# Altium PCB EgSA-Cube3.PcbDoc (part 2 of 2)
Units mm, origin at the board's own origin, x right, y up, seen from the top; angles counter-clockwise.
Board outline 152.4 x 101.6 mm, 2 copper layers (Top Layer, Bottom Layer); 172 components, 181 nets, 506 pads, 175 vias.
Unrouted connection lines stored in the file: 5.
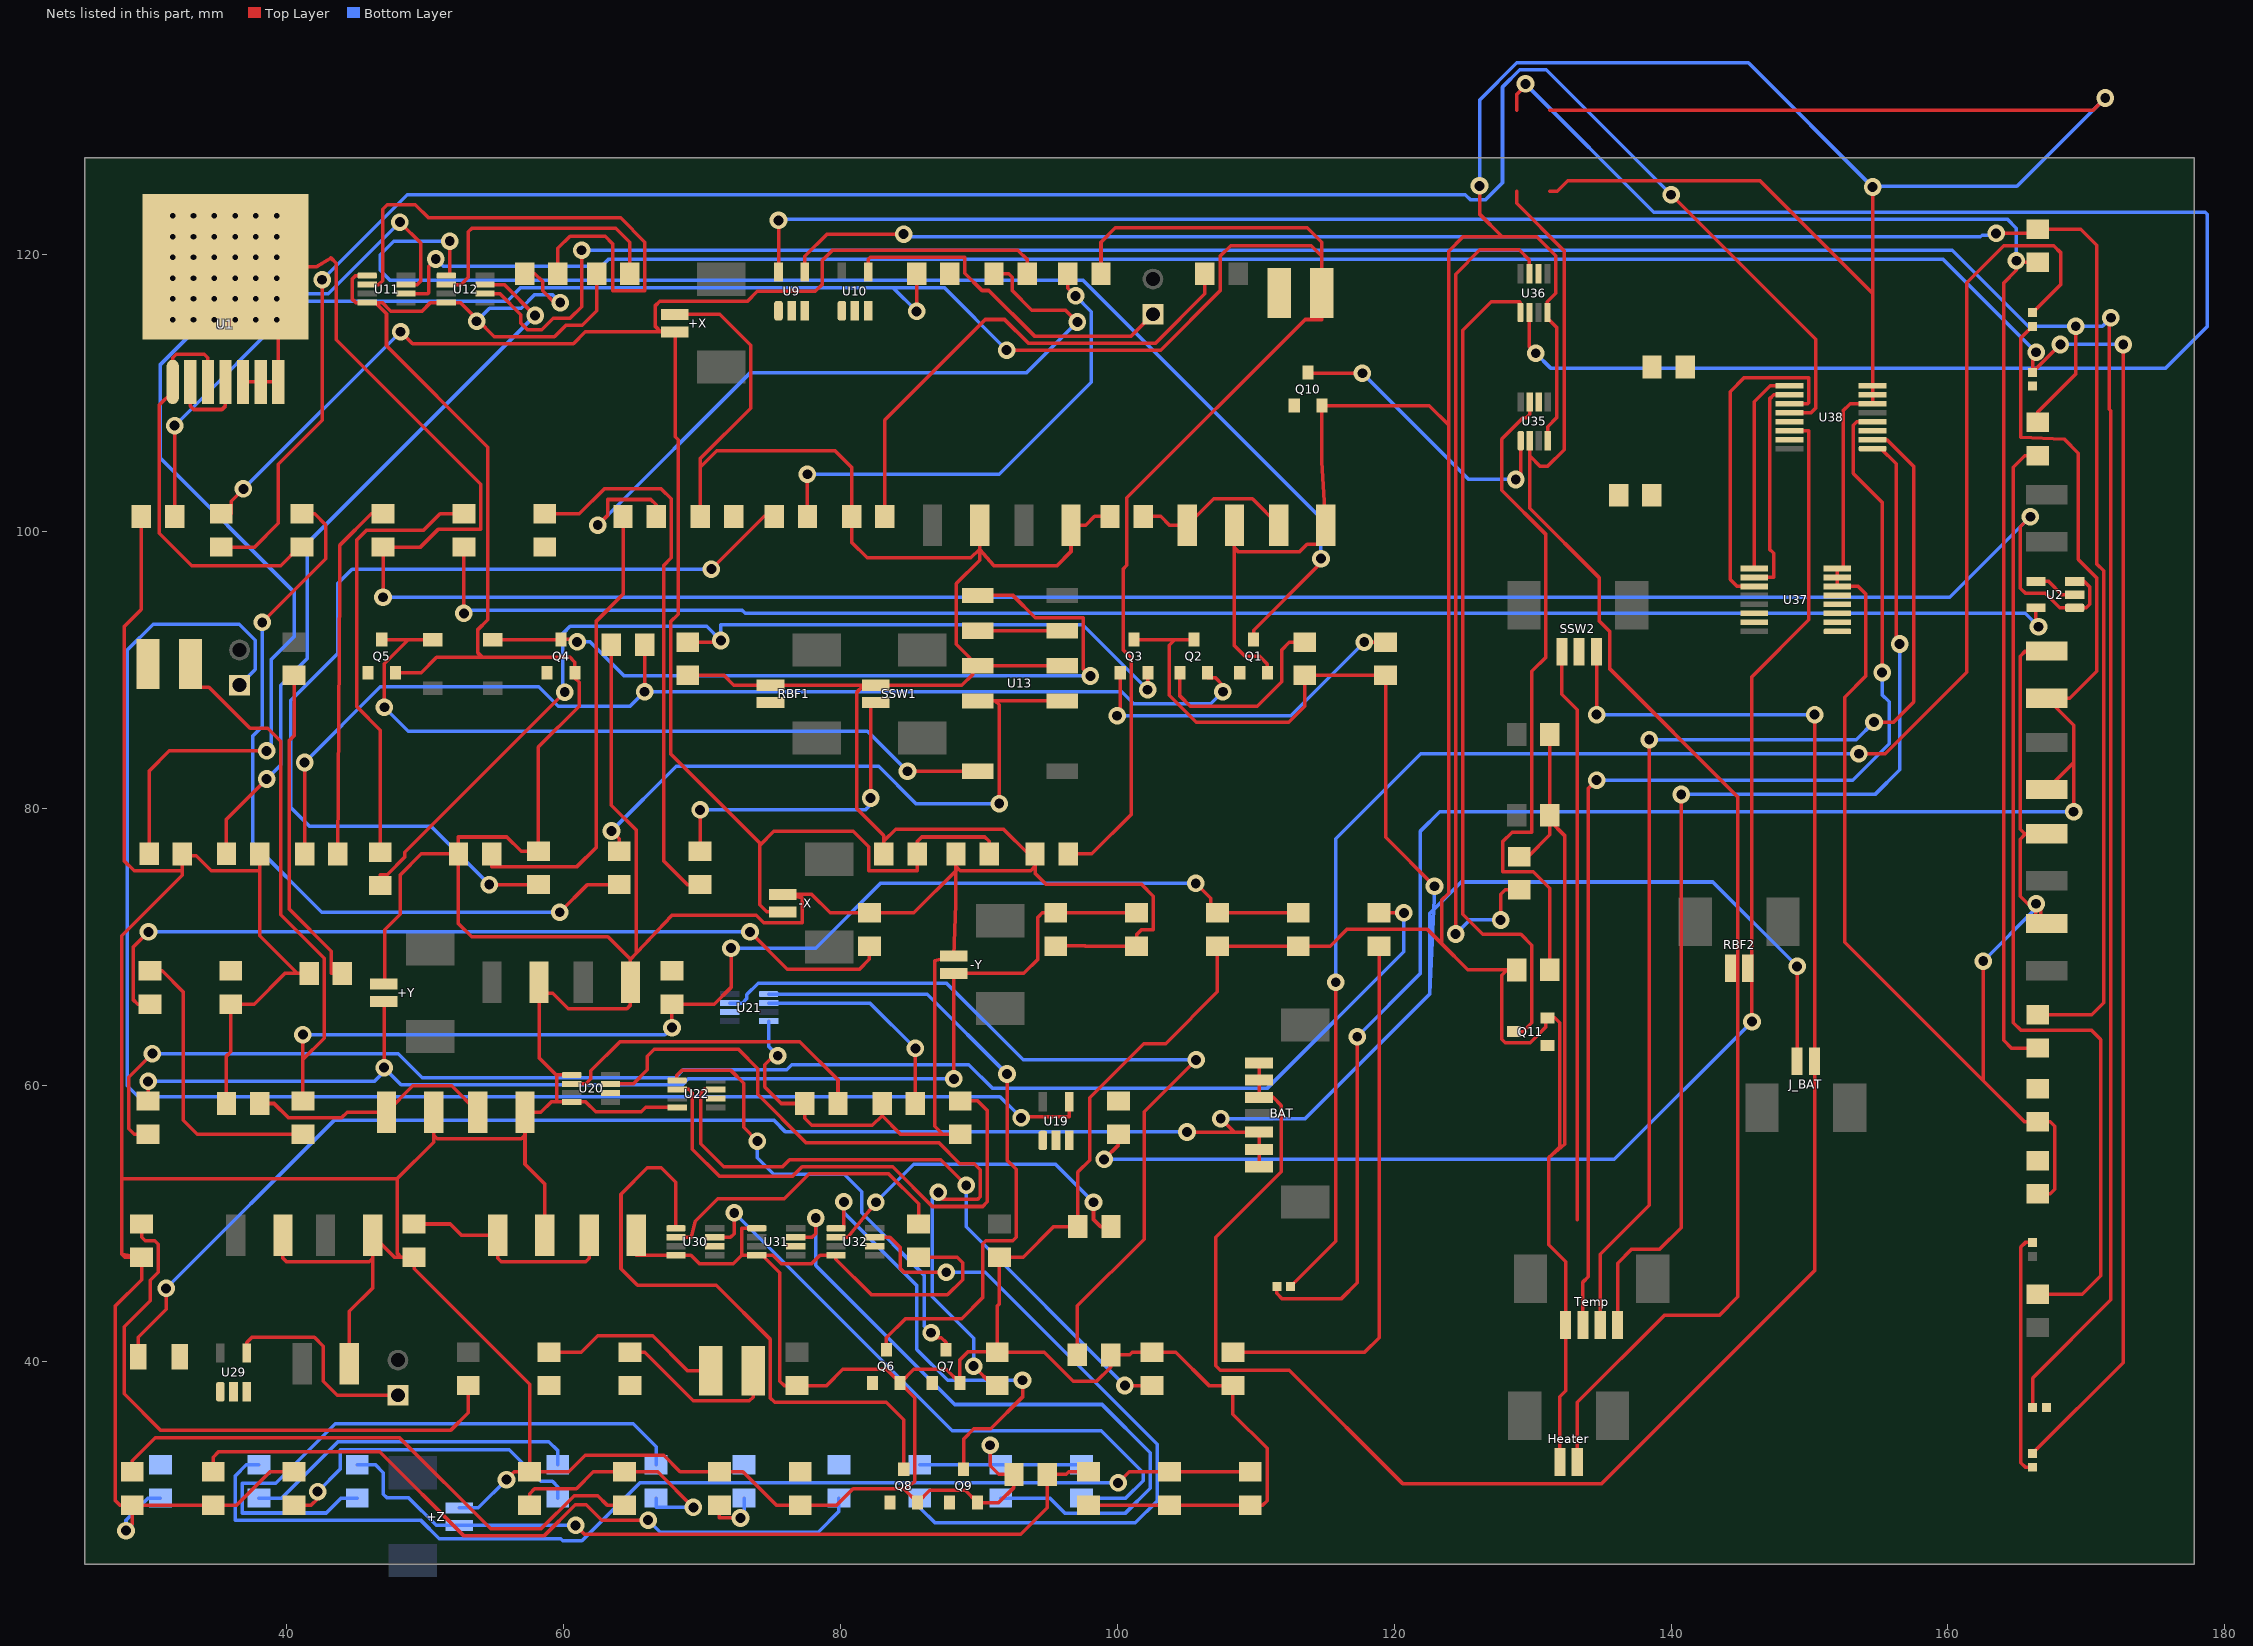
[diagram p2: the nets of this part, all layers, seen from the top]

## Via types
v1: diameter 1.27, hole 0.711, Top Layer to Bottom Layer, tented both sides, 139 vias
v2: diameter 0.7, hole 0.4, Top Layer to Bottom Layer, tented both sides, 36 vias

## Nets (pads, with @x,y where several pads share a name; then routed paths per layer and width w, separated by ;. In a path a pad name is that pad's centre, name@x,y a point inside that pad or via, vN(x,y) a via of type N, cw(c..) or ccw(c..) an arc to the next point about the centre after c; other vN are vias at no path point) (continued)
+8.82Vout1: C11.2 C12.2 L1.2 R12.2 R16.1 | length 178.6
  Top Layer w0.254: C12.2@31.885,101.092 v1(31.885,107.653) ; v1(85.492,115.9) R16.1@85.492,118.618 ; v1(91.999,113.106) 103.124,113.106 107.417,117.399 107.417,119.888 108.179,120.65 114.008,120.65 114.77,119.888 ; C11.2@96.45,76.708 98.146,76.708 100.99,79.553 100.99,90.881 100.406,91.465 100.406,97.282 100.686,97.561 100.686,102.438 113.563,115.316 114.77,115.316 L1.2@114.77,117.221 114.77,119.888 ; R12.2@98.814,118.618 98.814,120.904 99.855,121.945 113.729,121.945 114.77,120.904 114.77,119.888
  Bottom Layer w0.254: v1(31.885,107.653) 40.869,116.637 55.907,116.637 56.898,117.627 83.765,117.627 ; v1(85.492,115.9) 83.765,117.627 ; v1(91.999,113.106) 87.478,117.627 83.765,117.627
+8.82Vout2: C27.2 C28.2 L2.2 R68.2 R69.1 | length 120.2
  Top Layer w0.254: L2.2@33.031,90.424 33.031,88.748 34.366,88.748 37.333,85.781 38.612,85.781 39.557,84.836 39.557,72.304 42.697,69.164 42.697,63.398 41.148,61.849 ; R68.2@41.148,58.858 41.148,61.849 ; v1(41.148,63.652) 41.148,61.849 ; v1(67.818,64.16) R69.1@67.818,65.856 70.885,65.856 72.085,67.056 v1(72.085,69.901) ; v1(105.664,74.574) 106.731,73.508 106.731,72.447 C27.2@107.226,72.447 C28.2@113.068,72.447
  Bottom Layer w0.254: v1(41.148,63.652) 67.31,63.652 v1(67.818,64.16) ; v1(72.085,69.901) 78.207,69.901 82.88,74.574 v1(105.664,74.574)
+8.82Vout3: C46.2 C47.2 R108.2 | length 81.3
  Top Layer w0.254: v1(100.051,31.267) 100.844,32.061 C46.2@103.759,32.061 C47.2@109.601,32.061
  Bottom Layer w0.254: R108.2@37.973,32.569 37.065,32.569 36.259,31.763 36.259,28.58 49.652,28.58 51.003,27.229 59.792,27.229 59.944,27.076 61.316,27.076 65.507,31.267 v1(100.051,31.267)
+X: +X.1 -X.1 C9.2 C10.2 R11.2 R72.2 | length 141.1
  Top Layer w0.254: R72.2@35.257,101.276 35.966,101.276 35.966,102.184 v1(36.855,103.073) ; v1(48.209,114.427) 49.073,113.563 60.701,113.563 61.565,114.427 67.005,114.427 ; -X.1@75.819,72.517 74.676,72.517 74.168,73.025 74.168,77.318 ; C10.2@90.735,76.708 90.735,77.616 90.424,77.927 85.852,77.927 85.528,77.603 C9.2@85.528,76.708 85.528,75.489 82.042,75.489 82.042,77.216 80.924,78.334 75.184,78.334 74.168,77.318 ; R11.2@93.48,118.618 93.48,119.651 92.799,120.332 79.413,120.332 78.689,119.609 78.689,117.856 78.181,117.348 73.99,117.348 73.279,116.637 66.929,116.637 66.624,116.332 66.624,114.808 67.005,114.427 ; 67.005,114.427 +X.1@68.023,114.427 68.047,114.427 68.047,106.858 68.275,106.629 68.275,94.031 67.742,93.497 67.742,83.922 74.168,77.495 74.168,77.318
  Bottom Layer w0.254: v1(36.855,103.073) v1(48.209,114.427)
+Y: +Y.1 -Y.1 C25.2 C26.2 R67.2 | length 90.1
  Top Layer w0.254: R67.2@29.972,58.858 v1(29.972,60.274) ; +Y.1@46.99,66.05 47.015,66.05 v1(47.015,61.265) ; -Y.1@88.176,68.072 -Y.1@88.189,68.072 ; v1(88.189,60.452) -Y.1@88.189,68.072 ; C26.2@101.384,72.447 C25.2@95.542,72.447 94.57,72.447 94.259,72.136 94.259,69.088 93.243,68.072 -Y.1@88.189,68.072
  Bottom Layer w0.254: v1(29.972,60.274) 46.33,60.274 47.015,60.96 v1(47.015,61.265) 48.245,60.036 68.589,60.036 69.005,60.452 v1(88.189,60.452)
+Z: +Z.1 C51.2 C52.2 R103.2 | length 59.1
  Top Layer w0.254: v1(60.858,28.194) 61.493,27.559 93.021,27.559 94.926,29.464 C51.2@94.926,31.877 96.317,31.877 96.501,32.061 C52.2@97.917,32.061
  Bottom Layer w0.254: R103.2@45.085,32.569 46.4,32.569 46.965,32.004 46.965,30.455 47.244,30.175 48.793,30.175 50.775,28.194 +Z.1@52.451,28.194 v1(60.858,28.194)
ADCS_3V3: C19.2 U21.2 | length 15.9
  Top Layer w0.254: C19.2@85.401,58.674 v1(85.401,62.656)
  Bottom Layer w0.254: U21.2@74.803,65.928 82.129,65.928 v1(85.401,62.656)
ADM_5V: C57.2 U36.2 | length 116.8
  Top Layer w0.254: 128.848,130.429 128.848,131.572 129.483,132.207 v1(129.483,132.334) ; U36.2@129.764,115.824 129.764,113.339 v1(130.226,112.878)
  Bottom Layer w0.254: v1(129.483,132.334) 138.754,123.063 178.582,123.063 178.731,122.914 178.731,114.809 175.733,111.811 131.293,111.811 v1(130.226,112.878)
AirCoil_3V3: C4.2@64.778,118.618 U12.2 | length 19.6
  Top Layer w0.254: U12.2@51.513,117.841 52.588,117.841 53.111,118.364 53.111,121.666 53.365,121.92 63.762,121.92 64.778,120.904 C4.2@64.778,118.618
AntennaTimer_5V: C41.2 U32.2 | length 24.8
  Top Layer w0.254: U32.2@79.667,49.007 80.518,49.007 v1(82.55,51.537) ; v1(98.273,51.537) 98.273,50.292 98.781,49.784 C41.2@99.536,49.784
  Bottom Layer w0.254: v1(82.55,51.537) 85.293,54.28 95.529,54.28 v1(98.273,51.537)
BATT_+: BAT.1 BAT.2 BAT.3 F1.1 J_BAT.1 Q2.3 Q3.3 R45.1 R46.1 | length 207.7
  Top Layer w0.254: F1.1@29.245,40.386 29.245,41.787 31.267,43.809 v1(31.267,45.314) ; Q3.3@101.203,92.189 104.14,92.189 ; v1(105.029,56.617) 105.034,56.612 108.44,56.612 ; Q2.3@105.521,92.189 104.14,92.189 ; v1(107.465,57.586) 108.44,56.612 ; BAT.1@110.236,54.102 BAT.2@110.236,55.362 BAT.3@110.236,56.612 108.44,56.612 ; v1(122.911,74.371) 119.38,77.902 R46.1@119.38,89.605 R45.1@113.538,89.605 113.538,87.376 112.37,86.208 105.689,86.208 103.734,88.163 103.734,91.783 104.14,92.189 ; J_BAT.1@149.108,61.722 v1(149.108,68.58)
  Bottom Layer w0.254: v1(31.267,45.314) 43.434,57.48 75.159,57.48 76.022,56.617 v1(105.029,56.617) ; v1(107.465,57.586) 113.568,57.586 122.58,66.599 ; v1(122.911,74.371) 122.838,72.674 ; v1(149.108,68.58) 143.012,74.676 124.841,74.676 122.838,72.674 ; 122.58,66.599 122.838,72.674 ; 122.58,66.599 122.58,72.416 122.838,72.674
BATT_-: BAT.5 BAT.6 BAT.7 J_BAT.2 SSW2.1 | length 138.7
  Top Layer w0.254: BAT.7@110.236,61.612 BAT.6@110.236,60.362 BAT.5@110.236,59.112 111.252,59.112 111.836,58.528 111.836,53.746 107.112,49.022 107.112,39.726 107.442,39.395 112.42,39.395 120.599,31.217 135.001,31.217 150.368,46.584 J_BAT.2@150.368,61.722 v1(150.368,86.766) ; v1(134.62,86.766) SSW2.1@134.62,91.313
  Bottom Layer w0.254: v1(134.62,86.766) v1(150.368,86.766)
BATT_BUS: R64.2
CORE_COM: C3.2@59.571,118.618 U11.2 | length 42.2
  Top Layer w0.254: U11.2@45.798,117.841 46.645,117.841 46.914,118.11 46.914,123.281 47.244,123.611 49.268,123.611 50.222,122.657 64.11,122.657 65.862,120.904 65.862,117.399 63.525,117.399 63.525,120.802 62.992,121.336 60.452,121.336 59.571,120.455 C3.2@59.571,118.618
CORE_OBC: C18.2 U20.2 | length 23.7
  Top Layer w0.254: U20.2@60.573,60.086 61.585,60.086 61.951,60.452 61.951,61.036 64.059,63.144 77.052,63.144 79.813,60.383 C18.2@79.813,58.674
GND: +X.2 +Y.2 +Z.2 -X.2 -Y.2 C1.2@108.458,100.457 C2.2 C3.1@57.171,118.618 C3.2@167.132,71.677 C4.1@62.378,118.618 C4.2@167.132,78.154 C5.1@99.462,101.092 C6.1@166.497,52.14 C6.2@90.043,100.457 C7.1@166.497,57.347 C7.2@96.647,100.457 C8.1 C9.1 C10.1 C11.1 C12.1 C13.1 C14.2 C15.2 C16.2 C17.2 C18.1 C19.1 C20.1 C21.1 C22.2 C23.2 C24.1 C25.1 C26.1 C27.1 C28.1 C29.1 C30.2 C31.2 C32.2 C33.1 C36.2 C37.2 C38.2 C39.1 C40.1 C41.1 C42.1 C43.2 C44.2 C45.1 C46.1 C47.1 C48.2 C49.2 C50.2 C51.1 C52.1 C53.2 C54.1 C55.1 C56.1 C57.1 C58.1 C59.1 C60.2 C61.2 Heater.2 Q1.2 Q4.2 Q5.2 Q6.2 Q7.2 Q8.2 Q9.2 Q10.2 Q11.2 R19.1 R39.2 R51.1 R52.1 R71.1 R83.2 R101.1 R117.1 R118.2 R119.2 RBF1.2 SSW1.2 Temp.4 U11.1 U11.4 U12.4 U13.3 U13.8 U20.1 U20.4 U21.4 U22.4 U30.4 U31.1 U31.4 U32.4 U35.4 U36.4 U37.6 U37.7 U37.8 U38.6 U38.7 U38.8 | length 1327.7
  Top Layer w0.254: v1(28.372,27.813) 28.829,28.27 C55.1@28.829,29.661 ; C12.1@29.485,101.092 29.485,94.366 28.232,93.113 28.232,76.213 28.956,75.489 32.442,75.489 ; C14.2@32.442,76.708 C14.2@32.442,76.581 ; C21.1@35.63,58.674 35.63,62.103 35.941,62.414 C24.1@35.941,65.856 37.643,65.856 39.859,68.072 40.745,68.072 ; C15.2@38.03,76.708 38.03,75.489 ; C43.2@39.711,49.149 39.711,47.498 39.965,47.244 45.934,47.244 46.188,47.498 ; R119.2@40.513,32.061 38.773,32.061 36.373,29.661 C54.1@34.671,29.661 C55.1@28.829,29.661 ; R71.1@41.599,68.072 40.745,68.072 ; C36.2@44.51,39.878 44.51,43.663 46.188,45.34 46.188,47.498 ; U11.1@45.798,118.491 44.958,118.491 44.704,118.237 44.704,116.795 44.958,116.541 U11.4@45.798,116.541 U11.4@46.38,116.541 ; +Y.2@46.99,67.31 47.066,67.31 47.066,71.222 48.184,72.339 48.184,75.184 49.708,76.708 C13.1@52.394,76.708 ; Q5.2@47.847,89.789 49.697,89.789 50.81,90.901 54.133,90.901 ; C16.2@50.595,58.039 50.595,56.388 ; v1(53.698,115.192) v1@53.784,115.277 ; v1(55.865,31.496) 56.43,32.061 R118.2@57.531,32.061 ; C3.1@57.171,118.618 57.912,118.618 58.471,118.059 58.471,117.399 59.334,116.535 v1(59.741,116.535) ; C22.2@58.215,67.437 C22.2@58.215,66.65 ; C37.2@58.634,49.149 58.634,52.857 57.199,54.292 57.199,56.388 ; U20.1@60.573,60.736 59.487,60.736 ; C4.1@62.378,118.618 62.378,115.937 61.341,114.9 60.158,114.9 59.329,114.071 54.99,114.071 v1@53.784,115.277 ; R51.1@63.443,91.821 63.443,80.219 65.227,78.435 65.227,69.52 ; C38.2@65.238,49.149 65.238,47.707 U30.4@68.11,47.707 69.19,47.707 69.805,47.092 72.237,47.092 72.852,47.707 ; +X.2@68.023,115.687 71.282,115.687 73.508,113.462 73.508,108.915 69.871,105.279 69.871,104.648 ; U22.4@68.193,58.39 65.934,58.39 65.608,58.064 62.317,58.064 61.595,58.786 U20.4@60.573,58.786 59.487,58.786 ; R52.1@68.961,89.605 71.577,89.605 72.292,88.89 RBF1.2@74.93,88.89 SSW1.2@81.676,88.89 ; C8.1@69.871,101.092 69.871,104.648 ; U31.1@73.952,49.657 72.847,49.657 72.847,47.707 72.852,47.707 ; v1(75.463,62.128) 75.184,62.128 74.524,61.468 74.524,59.868 75.717,58.674 C18.1@77.413,58.674 77.413,57.607 77.921,57.099 82.296,57.099 83.001,57.785 ; C19.1@83.001,58.674 83.001,57.785 ; C9.1@83.128,76.708 83.128,77.642 ; C39.1@85.636,47.568 88.424,47.568 88.824,47.168 88.824,45.949 87.722,44.847 82.23,44.847 79.654,47.422 U32.4@79.667,47.707 78.517,47.707 77.902,47.092 75.703,47.092 75.088,47.707 U31.4@74.345,47.707 ; C10.1@88.335,76.708 88.335,75.8 ; C20.1@88.646,56.458 87.376,56.458 ; C6.2@90.043,100.457 90.043,98.73 ; v1(90.805,33.985) 90.805,32.512 91.44,31.877 C51.1@92.526,31.877 92.526,30.931 91.44,29.845 Q9.2@89.884,29.845 88.995,30.734 86.455,30.734 Q8.2@85.566,29.845 84.575,30.836 ; C25.1@95.542,70.047 95.542,70.053 97.663,70.053 97.669,70.047 C26.1@101.384,70.047 101.384,70.866 101.739,71.222 102.591,71.222 102.591,73.66 101.752,74.498 94.856,74.498 94.05,75.304 94.05,75.813 ; U13.3@96.012,90.297 U13.8@89.912,90.297 U13.8@89.535,90.297 ; C52.1@97.917,29.661 C46.1@103.759,29.661 C47.1@109.601,29.661 110.509,29.661 110.82,29.972 110.82,33.757 108.342,36.235 C29.1@108.342,38.297 106.616,38.297 104.216,40.697 C32.2@102.5,40.697 101.073,40.697 100.889,40.513 C31.2@99.509,40.513 99.509,39.624 98.493,38.608 96.8,38.608 94.711,40.697 C30.2@91.324,40.697 C30.2@91.324,40.724 ; C5.1@99.462,101.092 98.349,101.092 97.714,100.457 C7.2@96.647,100.457 96.647,98.552 95.606,97.511 91.084,97.511 90.043,98.73 ; C1.2@108.458,100.457 108.458,98.806 ; Q1.2@110.839,89.789 110.839,90.424 110.28,90.983 109.22,90.983 108.458,91.745 108.458,98.806 ; v1(126.162,124.968) 126.162,122.936 127.813,121.285 ; C60.2@128.848,68.326 128.143,68.326 ; C61.2@129.032,76.511 129.664,76.511 131.248,78.095 C58.1@131.248,79.089 ; U35.4@131.094,106.553 131.094,107.574 131.752,108.232 131.752,114.741 131.064,115.429 U36.4@131.064,115.824 131.064,116.611 131.674,117.221 131.674,119.913 130.302,121.285 127.813,121.285 ; C59.1@131.248,85.344 C58.1@131.248,79.502 C58.1@131.248,79.089 ; 131.248,124.587 131.775,124.587 132.537,125.349 146.431,125.349 154.559,117.221 ; 131.248,130.429 170.485,130.429 v1(171.374,131.318) ; Heater.2@131.963,32.766 131.963,37.49 132.384,37.911 Temp.4@132.384,42.672 132.384,47.245 131.166,48.463 131.166,54.762 ; v1(154.559,124.892) 154.559,117.221 ; v1(162.56,68.961) 162.56,60.319 ; v1(166.37,73.101) 166.726,72.746 C3.2@166.726,71.677 ; C6.1@166.497,52.14 167.386,52.14 167.716,52.47 167.716,57.017 167.386,57.347 C7.1@166.497,57.347 165.532,57.347 162.56,60.319 ; C3.2@167.132,71.677 C3.2@166.726,71.677 ; C4.2@167.132,78.154 165.608,78.154 ; C2.2@167.132,91.362 165.608,91.362 165.227,90.981 165.227,78.486 165.559,78.154 165.608,78.154 ; 28.067,47.771 28.067,53.238 ; 28.067,47.771 R101.1@29.502,47.568 ; 28.067,47.771 28.27,47.568 R101.1@29.502,47.568 ; 28.067,53.238 28.067,70.79 32.442,75.165 32.442,75.489 ; 28.067,53.238 29.464,53.238 47.955,53.24 ; C55.1@28.829,29.661 27.921,29.661 27.61,29.972 27.61,44.058 29.502,45.949 R101.1@29.502,47.568 ; 32.442,75.489 C14.2@32.442,76.581 ; C14.2@32.442,76.581 33.452,76.581 34.544,75.489 38.03,75.489 ; 38.03,75.489 38.03,70.787 40.745,68.072 ; 46.188,47.498 C44.2@46.188,49.149 47.769,47.568 48.26,47.568 ; U11.4@46.38,116.541 46.888,116.541 47.504,115.926 49.759,115.926 50.374,116.541 U12.4@51.513,116.541 52.52,116.541 v1@53.784,115.277 ; U11.4@46.38,116.541 47.193,115.728 47.193,113.411 54.508,106.096 54.508,93.624 53.772,92.888 53.772,91.262 54.133,90.901 ; 47.955,53.24 47.955,47.873 48.26,47.568 ; 47.955,53.24 50.595,55.88 50.595,56.388 ; 48.26,47.568 C42.1@49.187,47.568 49.187,46.736 57.531,38.392 R118.2@57.531,32.061 ; 50.595,56.388 50.849,56.134 56.945,56.134 57.199,56.388 ; C13.1@52.394,76.708 52.394,71.66 53.34,70.714 63.193,70.714 64.819,69.088 ; C13.1@52.394,76.708 52.394,77.927 55.88,77.927 56.915,76.892 R39.2@58.166,76.892 58.166,84.429 61.106,87.369 61.106,89.096 60.801,89.401 Q4.2@60.801,89.789 60.801,90.552 60.452,90.901 54.133,90.901 ; 57.199,56.388 C17.2@57.199,58.039 58.344,58.039 59.091,58.786 59.487,58.786 ; R118.2@57.531,32.061 60.357,32.061 61.544,33.249 67.215,33.249 68.402,32.061 C53.2@71.247,32.061 72.949,32.061 75.349,29.661 R117.1@77.089,29.661 79.724,29.661 80.899,30.836 84.575,30.836 ; C22.2@58.215,66.65 59.207,66.65 60.325,65.532 64.565,65.532 64.819,65.786 C23.2@64.819,67.437 64.819,69.088 ; C22.2@58.215,66.65 58.215,61.976 59.455,60.736 59.487,60.736 ; 59.487,58.786 59.487,60.736 ; 64.819,69.088 65.227,69.52 ; 65.227,69.52 67.818,72.263 73.914,72.263 74.447,71.73 77.216,71.73 77.216,73.523 -X.2@75.819,73.777 77.918,73.777 79.248,72.447 R83.2@82.08,72.447 85.293,72.447 88.335,75.489 ; 69.871,104.648 71.065,105.842 79.599,105.842 80.793,104.648 R19.1@80.793,101.092 80.793,99.22 81.918,98.095 89.408,98.095 90.043,98.73 ; 72.852,47.707 U31.4@73.952,47.707 U31.4@74.345,47.707 ; U31.4@74.345,47.707 75.616,46.436 75.616,38.608 75.927,38.297 C33.1@76.846,38.297 78.988,38.297 80.162,39.472 83.316,39.472 Q6.2@84.307,38.481 ; SSW1.2@81.676,88.89 SSW1.2@82.55,88.89 88.763,88.89 89.535,89.662 U13.8@89.535,90.297 ; SSW1.2@81.676,88.89 81.153,88.367 81.153,80.01 83.128,78.035 83.128,77.642 ; 83.001,57.785 84.328,56.458 87.376,56.458 ; 83.128,77.642 83.972,78.486 91.77,78.486 93.548,76.708 C11.1@94.05,76.708 94.05,75.813 ; Q6.2@84.307,38.481 85.298,39.472 87.634,39.472 Q7.2@88.625,38.481 88.625,38.692 88.594,38.723 88.594,40.132 89.186,40.724 C30.2@91.324,40.724 ; Q6.2@84.307,38.481 85.369,37.419 85.369,31.369 84.575,30.836 ; 87.376,56.458 86.792,57.042 86.792,69.002 -Y.2@88.176,69.332 88.335,73.083 88.335,75.489 ; 88.335,75.489 88.335,75.8 ; 88.335,75.489 88.491,75.644 ; 88.335,75.8 88.491,75.644 ; 88.491,75.644 88.646,75.489 93.726,75.489 94.05,75.813 ; U13.8@89.535,90.297 89.332,90.881 88.367,91.846 88.367,96.241 90.043,97.917 90.043,98.73 ; C30.2@91.324,40.724 91.324,44.044 91.478,44.197 C40.1@91.478,47.568 93.193,47.568 95.409,49.784 C41.1@97.136,49.784 97.136,53.721 97.999,54.584 97.999,59.086 101.905,62.992 103.48,62.992 107.226,66.738 C27.1@107.226,70.047 C28.1@113.068,70.047 115.367,70.047 116.567,71.247 122.403,71.247 123.419,70.231 ; 108.458,98.806 108.712,98.552 113.167,98.552 113.699,99.084 115.062,99.084 C2.2@115.062,100.457 114.776,105.061 Q10.2@114.776,109.093 122.53,109.093 123.927,107.696 ; 123.419,70.231 123.419,73.355 123.927,73.863 123.927,107.696 ; 123.419,70.231 125.324,68.326 128.143,68.326 ; 123.927,107.696 123.927,120.244 124.968,121.285 127.813,121.285 ; 128.143,68.326 127.762,67.945 127.762,63.322 128.016,63.068 129.819,63.068 130.962,64.211 130.962,64.865 Q11.2@131.064,64.865 131.604,64.865 131.953,64.516 131.953,55.55 131.166,54.762 ; 131.166,54.762 132.334,55.728 132.334,78.003 C58.1@131.248,79.089 ; 154.559,117.221 U38.8@154.559,110.535 U38.7@154.559,109.885 U38.6@154.559,109.235 152.948,109.235 152.425,108.712 152.425,97.327 U37.8@152.019,97.327 U37.7@152.019,96.677 U37.6@152.019,96.027 153.528,96.027 154.051,95.504 154.051,89.535 152.552,88.036 152.552,70.326 162.56,60.319 ; 165.608,78.154 165.227,77.773 165.227,73.66 166.345,72.542 166.345,71.677 C3.2@166.726,71.677
  Bottom Layer w0.254: v1(28.372,27.813) 28.372,28.569 29.972,30.169 C45.1@30.861,30.169 ; +Z.2@52.451,29.454 53.823,29.454 v1(55.865,31.496) ; v1(53.698,115.192) 54.635,116.129 56.921,116.129 57.912,117.119 59.157,117.119 v1(59.741,116.535) ; U21.4@74.803,64.628 74.803,62.789 v1(75.463,62.128) ; C50.2@85.725,32.569 85.725,32.588 C49.2@90.805,32.588 ; v1(90.805,33.985) C49.2@90.805,32.588 ; C48.2@97.409,32.569 C49.2@91.567,32.569 ; v1(126.162,124.968) 126.162,131.168 128.852,133.858 145.593,133.858 v1(154.559,124.892) ; v1@154.515,124.935 164.991,124.935 v1(171.374,131.318) ; v1(162.56,68.961) 166.37,72.771 v1(166.37,73.101) ; C49.2@90.805,32.588 90.805,32.569 C49.2@91.567,32.569 ; C49.2@90.805,32.588 91.567,32.588 C49.2@91.567,32.569
GYRO_5V: C56.2 Heater.1 U35.2 | length 110.6
  Top Layer w0.254: 128.848,124.587 128.848,123.704 132.283,120.269 132.283,105.918 131.064,104.699 130.556,104.699 129.794,105.461 ; U35.2@129.794,106.553 129.794,105.461 ; Heater.1@133.223,32.766 133.223,37.084 139.497,43.358 143.485,43.358 144.831,44.704 144.831,80.818 135.585,90.064 135.585,92.761 134.798,93.548 134.798,96.672 129.794,101.676 129.794,105.461
I_3V3: U37.4
I_5V: U37.1
I_BAT: U38.15
I_COM: U37.14
I_SA: U38.13
KILL_SW_Active: 
KILL_SW_FLAG: 
KILL_SW_InActive: 
NC_SW2: R38.2 SSW1.1 | length 23.2
  Top Layer w0.254: R38.2@69.85,76.892 v1(69.85,79.883) ; v1(82.169,80.747) 82.169,87.63 SSW1.1@82.55,87.63
  Bottom Layer w0.254: v1(69.85,79.883) 81.788,79.883 82.169,80.264 v1(82.169,80.747)
NetC1_1: C1.1@105.058,100.457 C2.1@111.662,100.457 C5.2@101.862,101.092 | length 11.6
  Top Layer w0.254: C5.2@101.862,101.092 103.124,101.092 103.759,100.457 C1.1@105.058,100.457 106.963,102.362 109.757,102.362 C2.1@111.662,100.457
NetC2_1: C2.1@167.132,87.962 C5.1@167.132,81.358 R1.1 R3.1 | length 134.7
  Top Layer w0.254: R1.1@111.514,45.466 111.514,44.958 111.92,44.552 116.154,44.552 117.323,45.72 v1(117.323,63.5) ; R3.1@166.116,114.816 165.278,113.978 165.278,106.807 168.402,106.68 169.418,105.664 169.418,97.979 170.753,96.644 170.753,89.907 168.808,87.962 C2.1@167.132,87.962 169.088,86.006 169.088,83.314 ; C5.1@167.132,81.358 169.088,83.314 ; v1(169.088,79.756) 169.088,83.314
  Bottom Layer w0.254: v1(117.323,63.5) 121.895,68.072 121.895,78.359 123.292,79.756 v1(169.088,79.756)
NetC6_2: C6.2@166.497,54.54
NetC7_2: C7.2@166.497,59.747
NetC8_2: C8.2
NetC13_2: C13.2 R18.1 | length 33.8
  Top Layer w0.254: C13.2@54.794,76.708 54.794,75.794 60.96,75.794 62.362,77.196 62.362,93.535 64.283,95.456 R18.1@64.283,101.092
NetC14_1: C14.1 U11.7 | length 75.4
  Top Layer w0.254: C14.1@30.042,76.708 30.042,82.696 31.496,84.15 v1(38.532,84.15) ; v1(48.158,122.352) 49.682,120.828 49.682,118.11 49.413,117.841 U11.7@48.598,117.841
  Bottom Layer w0.254: v1(38.532,84.15) 38.862,84.48 38.862,90.754 40.513,92.405 40.513,95.631 30.861,105.283 30.861,112.065 35.966,117.17 42.977,117.17 v1(48.158,122.352)
NetC15_1: C15.1 U12.7 | length 52.7
  Top Layer w0.254: C15.1@35.63,76.708 35.63,79.216 v1(38.532,82.118) ; U12.7@54.313,117.841 55.692,117.841 v1(57.926,115.607)
  Bottom Layer w0.254: v1(38.532,82.118) 39.548,83.134 39.548,88.9 41.453,90.805 41.453,99.135 v1(57.926,115.607)
NetC16_1: C16.1 C17.1 C21.2 | length 17.9
  Top Layer w0.254: C21.2@38.03,58.674 39.065,58.674 40.081,57.658 43.967,57.658 44.348,58.039 C16.1@47.195,58.039 49.1,59.944 51.894,59.944 C17.1@53.799,58.039
NetC24_2: C24.2
NetC29_2: C29.2 R77.1 | length 39.3
  Top Layer w0.254: C29.2@108.342,40.697 117.856,40.697 118.91,41.751 R77.1@118.91,70.047
NetC30_1: C30.1 U20.7 | length 54.7
  Top Layer w0.254: U20.7@63.373,60.086 65.024,60.086 66.04,61.102 66.04,62.078 66.548,62.586 72.625,62.586 74.016,61.195 74.016,59.334 77.495,55.855 87.097,55.855 88.621,54.331 89.662,54.331 90.094,53.899 90.094,51.943 89.891,51.74 87.376,51.74 87.071,52.045 v1(87.071,52.248) ; v1(89.611,39.7) 91.014,38.297 C30.1@91.324,38.297
  Bottom Layer w0.254: v1(87.071,52.248) 86.614,51.791 86.614,44.704 89.611,41.707 v1(89.611,39.7)
NetC31_1: C31.1 U21.7 | length 61.6
  Top Layer w0.254: C31.1@97.109,40.513 97.109,44.048 101.93,48.87 101.93,58.064 v1(105.689,61.824)
  Bottom Layer w0.254: U21.7@72.003,65.928 72.898,65.928 73.228,66.258 73.228,66.548 74.041,67.361 87.655,67.361 93.193,61.824 v1(105.689,61.824)
NetC32_1: C32.1 U22.7 | length 46.9
  Top Layer w0.254: U22.7@70.993,59.69 70.155,59.69 69.901,59.436 69.901,55.753 71.552,54.102 75.804,54.102 76.312,54.61 87.224,54.61 v1(89.078,52.756) ; v1(100.539,38.297) C32.1@102.5,38.297
  Bottom Layer w0.254: v1(89.078,52.756) 89.078,49.759 v1(100.539,38.297)
NetC34_1: C34.1
NetC34_2: C34.2 L3.1 | length 13.2
  Top Layer w0.254: C34.2@58.939,40.697 61.265,40.697 62.452,41.885 66.421,41.885 68.936,39.37 L3.1@70.612,39.37
NetC35_1: C35.1
NetC35_2: C35.2 L3.2 | length 12.4
  Top Layer w0.254: C35.2@64.781,40.697 65.856,40.697 69.367,37.186 73.406,37.186 73.682,37.462 L3.2@73.682,39.37
NetC37_1: C37.1 C38.1 C42.2 | length 16.5
  Top Layer w0.254: C42.2@49.187,49.968 51.791,49.968 52.61,49.149 C37.1@55.234,49.149 55.234,47.498 55.488,47.244 61.584,47.244 61.838,47.498 C38.1@61.838,49.149
NetC45_2: C45.2
NetC48_1: C48.1 U30.7 | length 45.9
  Top Layer w0.254: U30.7@70.91,49.007 72.045,49.007 72.314,49.276 v1(72.314,50.775)
  Bottom Layer w0.254: v1(72.314,50.775) 88.062,35.027 98.831,35.027 101.854,32.004 101.854,31.42 100.603,30.169 C48.1@97.409,30.169
NetC49_1: C49.1 U31.7 | length 50.5
  Top Layer w0.254: U31.7@76.752,49.007 77.938,49.007 78.207,49.276 v1(78.207,50.402)
  Bottom Layer w0.254: v1(78.207,50.402) 78.207,46.973 88.254,36.927 98.887,36.927 102.368,33.446 102.368,30.867 100.584,29.083 96.19,29.083 95.104,30.169 C49.1@91.567,30.169
NetC50_1: C50.1 U32.7 | length 50.6
  Top Layer w0.254: U32.7@82.467,49.007 83.566,49.007 84.328,48.245 84.328,46.736 84.582,46.482 v1(87.634,46.482)
  Bottom Layer w0.254: C50.1@85.725,30.169 85.725,29.464 86.817,28.372 101.295,28.372 102.876,29.953 102.876,34.055 90.449,46.482 v1(87.634,46.482)
NetC53_1: C53.1 R111.1 | length 4
  Top Layer w0.254: C53.1@71.247,29.661 71.247,28.727 v1(72.771,28.727)
  Bottom Layer w0.254: v1(72.771,28.727) 73.025,28.981 R111.1@73.025,30.169
NetC54_2: C54.2 R112.1 | length 52.3
  Top Layer w0.254: C54.2@34.671,32.061 34.671,33.122 35.052,33.503 46.717,33.503 52.791,27.429 58.57,27.429 60.819,29.678 61.635,29.678 62.738,28.575 v1(66.091,28.575)
  Bottom Layer w0.254: v1(66.091,28.575) 66.965,27.701 78.374,27.701 79.883,29.21 R112.1@79.883,30.169
NetC55_2: C55.2 R116.1 | length 41
  Top Layer w0.254: C55.2@28.829,32.061 28.829,32.868 30.48,34.519 48.133,34.519 54.714,27.937 58.359,27.937 60.75,30.328 62.459,30.328 63.125,29.661 R116.1@64.389,29.661
NetC60_1: C60.1 U35.7 | length 48.2
  Top Layer w0.254: U35.7@129.794,109.353 129.794,108.458 129.54,108.204 129.286,108.204 127.762,106.68 127.762,102.985 130.962,99.784 130.962,90.907 129.946,89.891 129.946,78.283 128.517,78.283 127.826,77.592 127.826,75.413 130.048,75.413 131.248,74.213 C60.1@131.248,68.326
NetC61_1: C61.1 U36.7 | length 62
  Top Layer w0.254: v1(124.435,70.917) 124.435,118.593 126.187,120.345 129.032,120.345 129.764,119.613 U36.7@129.764,118.624 ; v1(127.686,71.933) 127.686,73.781 128.016,74.111 C61.1@129.032,74.111
  Bottom Layer w0.254: v1(124.435,70.917) 125.451,71.933 v1(127.686,71.933)
NetD3_2: D3.2 Q5.3 U13.10 | length 54.1
  Top Layer w0.254: Q5.3@46.847,92.189 48.666,92.189 48.681,92.174 48.768,92.174 ; v1(47.041,87.3) 47.041,90.447 48.768,92.174 ; D3.2@50.546,92.174 48.768,92.174 ; v1(84.836,82.677) U13.10@89.912,82.677
  Bottom Layer w0.254: v1(47.041,87.3) 48.768,85.573 81.94,85.573 v1(84.836,82.677)
NetD4_2: D4.2 Q4.3 U13.6 | length 57
  Top Layer w0.254: D4.2@54.864,92.174 57.302,92.174 57.317,92.189 Q4.3@59.801,92.189 59.801,92.202 60.782,92.202 v1(60.96,92.024) ; U13.6@89.912,95.377 92.456,95.377 94.065,93.768 97.543,93.768 97.543,90.061 v1(98.044,89.56)
  Bottom Layer w0.254: v1(60.96,92.024) 61.9,92.024 64.364,89.56 v1(98.044,89.56)
NetF1_2: F1.2
NetJ3_1: J3.1 U10.4 | length 25.3
  Top Layer w0.254: U10.4@81.988,118.751 81.988,119.659 82.153,119.824 88.973,119.824 88.973,118.66 90.221,117.412 90.718,117.412 94.007,114.122 100.992,114.122 J3.1@102.567,115.697
NetJ8_1: J8.1 U19.4 | length 115.8
  Top Layer w0.254: v1(93.04,57.633) 93.116,57.709 96.515,57.709 U19.4@96.515,58.807
  Bottom Layer w0.254: J8.1@36.576,88.9 37.707,90.031 37.707,92.138 36.551,93.294 30.328,93.294 28.473,91.44 28.473,59.944 29.261,59.157 91.516,59.157 v1(93.04,57.633)
NetJ12_1: J12.1 U29.4 | length 15.1
  Top Layer w0.254: U29.4@37.09,40.646 37.09,41.402 37.471,41.783 41.986,41.783 42.621,41.148 42.621,38.608 43.637,37.592 J12.1@48.017,37.592
NetL1_1: L1.1
NetL2_1: L2.1
NetQ1_1: Q1.1
NetQ1_3: Q1.3 U12.1 | length 95.5
  Top Layer w0.254: U12.1@51.513,118.491 51.765,118.491 v1(51.765,120.98) ; Q1.3@109.839,92.189 109.839,92.862 114.706,97.73 v1(114.706,98.044)
  Bottom Layer w0.254: v1(51.765,120.98) 47.727,120.98 46.736,119.99 46.736,118.872 47.473,118.135 97.536,118.135 114.706,100.965 v1(114.706,98.044)
NetQ2_1: Q2.1 R45.2 | length 14.2
  Top Layer w0.254: Q2.1@104.521,89.789 104.521,88.113 105.25,87.384 110.092,87.384 111.862,89.154 111.862,91.44 112.427,92.005 R45.2@113.538,92.005
NetQ2_2: Q2.2 R41.1 R51.2 | length 82.5
  Top Layer w0.254: R41.1@41.275,76.708 v1(41.275,83.312) ; v1(65.837,88.417) 65.837,90.297 65.843,90.303 R51.2@65.843,91.821 ; Q2.2@106.521,89.789 106.521,89.433 107.086,89.433 107.62,88.9 v1(107.62,88.417)
  Bottom Layer w0.254: v1(41.275,83.312) 46.736,88.773 58.185,88.773 59.589,87.369 64.788,87.369 v1(65.837,88.417) 100.305,88.417 101.168,87.554 106.756,87.554 v1(107.62,88.417)
NetQ3_1: Q3.1 R46.2 | length 24.8
  Top Layer w0.254: v1(99.974,86.69) 100.203,86.919 Q3.1@100.203,89.789 ; v1(117.837,92.005) R46.2@119.38,92.005
  Bottom Layer w0.254: v1(99.974,86.69) 112.522,86.69 v1(117.837,92.005)
NetQ3_2: Q3.2 R42.1 R52.2 | length 73.7
  Top Layer w0.254: R42.1@46.736,74.422 46.736,75.209 47.244,75.209 48.514,76.479 48.514,76.835 v1(60.071,88.392) ; R52.2@68.961,92.005 71.228,92.005 v1(71.349,92.126) ; v1(102.184,88.57) 102.203,88.589 Q3.2@102.203,89.789
  Bottom Layer w0.254: v1(60.071,88.392) 59.944,88.519 59.944,92.634 60.452,93.142 70.333,93.142 v1(71.349,92.126) 71.349,93.269 97.485,93.269 v1(102.184,88.57)
NetQ4_1: Q4.1
NetQ5_1: Q5.1
NetQ6_1: Q6.1
NetQ6_3: Q6.3 U21.1 | length 47.2
  Top Layer w0.254: Q6.3@83.307,40.881 83.307,41.753 84.689,43.135 88.753,43.135 90.272,44.653 90.272,48.539 90.5,48.768 92.431,48.768 92.685,49.022 92.685,53.924 92.024,54.585 v1(92.024,60.808)
  Bottom Layer w0.254: U21.1@74.803,66.578 86.254,66.578 v1(92.024,60.808)
NetQ7_1: Q7.1
NetQ7_3: Q7.3 U22.1 | length 34.3
  Top Layer w0.254: U22.1@68.193,60.34 68.174,60.34 68.174,60.706 68.529,61.062 72.081,61.062 73,60.143 73,56.947 v1(73.99,55.956) ; v1(86.538,42.113) 86.538,42.088 86.868,41.758 87.269,41.758 87.625,41.402 Q7.3@87.625,40.881
  Bottom Layer w0.254: v1(73.99,55.956) 73.99,54.762 75.184,53.569 80.264,53.569 81.534,52.299 81.534,50.775 86.03,46.279 86.03,42.621 v1(86.538,42.113)
NetQ8_1: Q8.1
NetQ8_3: Q8.3 U30.1 | length 44.9
  Top Layer w0.254: U30.1@68.11,49.657 68.097,49.657 68.097,52.984 67.056,54.026 66.04,54.026 64.135,52.121 64.135,46.736 65.329,45.542 71.018,45.542 74.905,41.656 74.905,37.414 75.235,37.084 83.312,37.084 84.566,35.83 Q8.3@84.566,32.245
NetQ9_1: Q9.1
NetQ9_3: Q9.3 U32.1 | length 32.8
  Top Layer w0.254: U32.1@79.667,49.657 80.239,49.657 v1(80.239,51.562) ; Q9.3@88.884,32.245 88.884,34.427 89.622,35.165 90.842,35.165 93.145,37.469 v1(93.145,38.684)
  Bottom Layer w0.254: v1(80.239,51.562) 80.239,50.8 85.512,45.526 85.512,40.904 87.732,38.684 v1(93.145,38.684)
NetQ10_1: Q10.1
NetQ10_3: Q10.3 U35.1 | length 21.2
  Top Layer w0.254: Q10.3@113.776,111.493 113.776,111.43 v1(117.704,111.43) ; v1(128.778,103.759) 129.144,104.125 U35.1@129.144,106.553
  Bottom Layer w0.254: v1(117.704,111.43) 125.374,103.759 v1(128.778,103.759)
NetQ11_1: Q11.1
NetQ11_3: Q11.3 U36.1 | length 61
  Top Layer w0.254: Q11.3@128.664,63.865 129.295,63.865 129.946,64.516 129.946,70.104 129.155,70.896 126.395,70.896 124.943,72.349 124.943,114.529 127,116.586 129.057,116.586 129.114,116.529 U36.1@129.114,115.824
NetR1_2: R1.2 R3.2 | length 125.7
  Top Layer w0.254: R1.2@112.514,45.466 115.773,48.725 v1(115.773,67.437) ; v1(153.568,83.947) 155.474,83.947 161.366,89.839 161.366,117.982 164.035,120.65 167.64,120.65 168.169,120.121 168.169,117.869 R3.2@166.116,115.816
  Bottom Layer w0.254: v1(115.773,67.437) 115.773,77.8 121.92,83.947 v1(153.568,83.947)
NetR2_1: 
NetR4_1: R4.1
NetR4_2: R4.2 R9.2 U11.6 | length 215
  Top Layer w0.254: U11.6@48.598,117.191 50.189,117.191 50.241,117.243 50.241,119.177 v1(50.749,119.685) ; R9.2@166.116,33.393 172.669,39.946 v1(172.669,113.513) ; v1(166.37,112.954) 166.116,112.7 R4.2@166.116,111.498 v1(168.131,113.513)
  Bottom Layer w0.254: v1(50.749,119.685) 51.283,119.151 62.716,119.151 63.25,119.685 159.639,119.685 v1(166.37,112.954) ; v1(168.131,113.513) v1(172.669,113.513)
NetR5_1: R5.1 R8.2@166.497,44.888 | length 71.3
  Top Layer w0.254: R8.2@166.497,44.888 169.704,44.888 171.044,46.228 171.044,63.297 170.358,63.983 165.252,63.983 164.719,64.516 164.719,104.648 165.551,105.48 R5.1@166.497,105.48
NetR5_2: R5.2 R10.2 U12.6 | length 215.5
  Top Layer w0.254: U12.6@54.313,117.191 55.372,117.191 56.898,115.666 56.898,115.062 57.38,114.579 58.422,114.579 59.251,115.408 60.452,115.408 61.29,116.247 v1(61.29,120.32) ; R10.2@166.124,36.703 166.124,38.838 171.78,44.495 171.78,108.712 171.653,108.839 171.653,115.316 v1(171.78,115.443) ; R5.2@166.497,107.88 166.497,108.636 169.24,111.379 v1(169.24,114.833)
  Bottom Layer w0.254: v1(61.29,120.32) 160.325,120.32 165.811,114.833 v1(169.24,114.833) 171.171,114.833 v1(171.78,115.443)
NetR7_2: R7.2 R9.1 | length 17.5
  Top Layer w0.254: R9.1@166.116,32.393 165.608,32.393 165.278,32.723 165.278,48.303 165.608,48.633 R7.2@166.116,48.633
NetR8_1: R8.1@106.32,118.618 R19.2 | length 36.7
  Top Layer w0.254: R19.2@83.193,101.092 83.193,108.052 90.457,115.316 91.846,115.316 93.548,113.614 102.768,113.614 106.32,117.166 R8.1@106.32,118.618
NetR10_1: R10.1
NetR11_1: R11.1 R18.2 | length 55.4
  Top Layer w0.254: v1(62.459,100.457) 63.195,101.194 63.195,102.311 66.294,102.311 66.683,101.922 R18.2@66.683,101.092 ; R11.1@91.08,118.618 92.145,118.618 92.399,118.364 92.399,117.412 93.818,115.993 96.25,115.993 v1(97.104,115.138)
  Bottom Layer w0.254: v1(62.459,100.457) 73.457,111.455 93.421,111.455 v1(97.104,115.138)
NetR12_1: R12.1 R17.2 | length 34.8
  Top Layer w0.254: R17.2@77.605,101.092 v1(77.605,104.14) ; R12.1@96.414,118.618 96.414,117.581 v1(96.977,117.018)
  Bottom Layer w0.254: v1(77.605,104.14) 91.465,104.14 98.12,110.795 98.12,115.875 v1(96.977,117.018)
NetR13_1: U9.3
NetR15_1: U10.3
NetR16_2: R16.2
NetR17_1: R17.1 R39.1 | length 71.3
  Top Layer w0.254: v1(54.616,74.492) R39.1@58.166,74.492 ; v1(70.663,97.282) 74.473,101.092 R17.1@75.205,101.092
  Bottom Layer w0.254: v1(54.616,74.492) 50.419,78.689 41.656,78.689 40.259,80.086 40.259,87.782 43.688,91.211 43.688,96.266 44.704,97.282 v1(70.663,97.282)
NetR20_2: U13.4 U13.7 | length 6.1
  Top Layer w0.254: U13.7@89.912,92.837 U13.4@96.012,92.837
NetR21_1: U9.1
NetR22_1: U10.1
NetR23_2: R23.2 R36.1 | length 56.6
  Top Layer w0.254: v1(38.215,93.435) 42.813,98.033 42.813,100.465 42.002,101.276 R23.2@41.099,101.276 ; v1(59.715,72.492) 61.716,74.492 R36.1@64.008,74.492
  Bottom Layer w0.254: v1(38.215,93.435) 38.215,85.906 37.516,85.207 37.516,77.495 42.52,72.492 v1(59.715,72.492)
NetR24_2: R24.2 R41.2 | length 26.4
  Top Layer w0.254: R41.2@43.675,76.708 43.829,96.24 43.829,99.023 46.082,101.276 R24.2@46.941,101.276
NetR25_2: R25.2 R42.2 | length 31.8
  Top Layer w0.254: R42.2@46.736,76.822 46.736,85.649 45.06,87.325 45.06,99.416 45.72,100.076 49.86,100.076 51.06,101.276 R25.2@52.783,101.276
NetR26_2: R26.2 R38.1 | length 39.9
  Top Layer w0.254: R26.2@58.625,101.276 61.119,101.276 62.916,103.073 67.056,103.073 67.767,102.362 67.767,98.095 67.208,97.536 67.208,76.2 68.916,74.492 R38.1@69.85,74.492
NetR27_1: 
NetR28_1: U2.2 U2.4 | length 3.2
  Top Layer w0.254: U2.4@166.364,96.388 167.284,96.388 168.234,95.438 U2.2@169.164,95.438
NetR29_2: 
NetR30_2: 
NetR33_2: U9.2
NetR35_1: U10.2
NetR36_2: R36.2 U13.2 U13.9 | length 46.4
  Top Layer w0.254: v1(63.449,78.359) 64.008,77.8 R36.2@64.008,76.892 ; U13.9@89.912,87.757 91.186,87.757 ; v1(91.465,80.34) 91.465,87.478 91.186,87.757 ; U13.2@96.012,87.757 91.186,87.757
  Bottom Layer w0.254: v1(63.449,78.359) 68.123,83.033 82.753,83.033 85.446,80.34 v1(91.465,80.34)
NetR56_2: U20.6
NetR57_2: U21.6
NetR58_2: U22.6
NetR60_1: R60.1 R71.2 | length 23.7
  Top Layer w0.254: R60.1@40.513,89.605 40.513,85.242 40.183,84.912 40.183,72.708 43.205,69.685 43.205,68.072 R71.2@43.999,68.072
NetR66_1: U19.3
NetR67_1: R67.1 R77.2 | length 108.6
  Top Layer w0.254: R67.1@29.972,56.458 28.956,56.458 28.575,56.839 28.575,60.579 v1(30.277,62.281) ; R77.2@118.91,72.447 v1(120.701,72.447)
  Bottom Layer w0.254: v1(30.277,62.281) 48.031,62.281 49.769,60.544 68.081,60.544 68.638,61.101 76.112,61.101 76.479,61.468 89.272,61.468 90.948,59.792 110.846,59.792 120.701,69.647 v1(120.701,72.447)
NetR68_1: R68.1 R76.2 | length 21.4
  Top Layer w0.254: R76.2@30.099,68.256 30.988,68.256 32.512,66.732 32.512,57.474 33.528,56.458 R68.1@41.148,56.458
NetR69_2: R69.2
NetR73_1: U19.1
NetR75_1: 
NetR76_1: R76.1 R83.1 | length 61.2
  Top Layer w0.254: v1(29.997,71.069) 28.88,69.952 28.88,66.186 29.21,65.856 R76.1@30.099,65.856 ; v1(73.457,71.069) 76.149,68.377 81.368,68.377 82.08,69.088 R83.1@82.08,70.047
  Bottom Layer w0.254: v1(29.997,71.069) v1(73.457,71.069)
NetR79_1: U19.2
NetR90_2: U30.6
NetR91_2: U31.6
NetR92_2: U32.6
NetR93_2: 
NetR95_1: R95.1 R101.2 | length 42.6
  Top Layer w0.254: R101.2@29.502,49.968 29.502,49.022 29.756,48.768 30.455,48.768 30.709,48.514 30.709,46.482 30.124,45.898 30.124,44.425 28.245,42.545 28.245,37.694 30.886,35.052 51.816,35.052 53.097,36.333 R95.1@53.097,38.297
NetR100_1: U29.3
NetR102_1: U29.1
NetR103_1: R103.1 R107.2 | length 44.6
  Bottom Layer w0.254: R103.1@45.085,30.169 43.91,30.169 42.829,29.088 36.767,29.088 36.767,31.25 39.192,31.25 43.477,35.535 65.024,35.535 66.675,33.884 R107.2@66.675,32.569
NetR106_1: U29.2
NetR107_1: R107.1 R116.2 R118.1 | length 17.7
  Top Layer w0.254: R118.1@57.531,29.661 57.531,30.48 57.887,30.836 60.915,30.836 62.141,32.061 R116.2@64.389,32.061 66.796,32.061 v1(69.367,29.489)
  Bottom Layer w0.254: R107.1@66.675,30.169 66.675,29.489 v1(69.367,29.489)
NetR108_1: R108.1 R113.2 | length 24.6
  Bottom Layer w0.254: R108.1@37.973,30.169 39.618,30.169 43.688,34.239 58.928,34.239 59.563,33.604 R113.2@59.563,32.569
NetR111_2: R111.2
NetR112_2: R112.2
NetR113_1: R113.1 R119.1 | length 23.7
  Top Layer w0.254: R119.1@40.513,29.661 41.751,29.661 42.215,30.124 v1(42.215,30.632)
  Bottom Layer w0.254: v1(42.215,30.632) 43.866,32.283 43.866,33.655 56.058,33.655 58.344,31.369 59.182,31.369 59.563,30.988 R113.1@59.563,30.169
NetR117_2: R117.2
NetR120_2: U35.6
NetR121_2: U36.6
NetU1_2: U1.2 U1.4 | length 6.2
  Top Layer w0.254: U1.2@33.02,110.806 33.02,109.068 33.274,108.814 35.306,108.814 35.56,109.068 U1.4@35.56,110.806
NO_SW1: SSW2.2
O/P1: U38.3
O/P2: U37.3
PBF1: RBF2.1 SSW2.3 | length 41.5
  Top Layer w0.254: SSW2.3@132.11,91.313 132.11,88.24 133.223,87.127 133.223,50.292
PBF2: RBF2.2
PL_5V: C39.2 U30.2 | length 22.2
  Top Layer w0.254: U30.2@68.11,49.007 69.225,49.007 69.494,50.165 71.12,51.791 75.921,51.791 77.724,53.594 83.464,53.594 85.636,51.423 C39.2@85.636,49.968
RBF: RBF1.1
S0: U37.11 U38.11 | length 24.9
  Top Layer w0.254: U37.11@146.019,96.027 144.78,96.027 144.272,96.535 144.272,110.109 145.288,111.125 149.94,111.125 149.94,109.296 149.879,109.235 U38.11@148.559,109.235
S1: U37.10 U38.10 | length 16
  Top Layer w0.254: U37.10@146.019,96.677 147.422,96.677 147.422,98.425 147.117,98.73 147.117,109.576 147.426,109.885 U38.10@148.559,109.885
S2: U37.9 U38.9 | length 15.1
  Top Layer w0.254: U37.9@146.019,97.327 145.999,97.327 145.999,109.367 147.168,110.535 U38.9@148.559,110.535
SAR_3V3: C20.2 U22.2 | length 37.8
  Top Layer w0.254: U22.2@68.193,59.69 69.037,59.69 69.291,59.436 69.291,55.372 71.247,53.416 76.53,53.416 77.216,54.102 83.764,54.102 86.634,51.232 90.272,51.232 90.602,51.562 90.602,58.172 89.916,58.858 C20.2@88.646,58.858
SW_ADCS_3V3: 
SW_ADM_5V: 
SW_AirCoil_3V3: 
SW_AntennaTimer_5V: 
SW_GYRO_5V: 
SW_PL_5V: 
SW_SAR_3V3: 
T1_BAT: Temp.1 U38.1 | length 82.3
  Top Layer w0.254: Temp.1@136.144,42.672 136.144,47.142 137.16,48.158 139.192,48.158 140.741,49.708 v1(140.741,81.001) ; U38.1@154.559,105.985 155.169,105.985 156.261,104.893 156.261,92.126 v1(156.515,91.872)
  Bottom Layer w0.254: v1(140.741,81.001) 154.737,81.001 156.515,82.779 v1(156.515,91.872)
T2_BAT: Temp.2 U38.2 | length 84.8
  Top Layer w0.254: Temp.2@134.884,42.672 134.884,47.787 138.43,51.333 v1(138.43,84.963) ; U38.2@154.559,106.635 155.6,106.635 157.536,104.699 157.536,87.685 156.084,86.233 v1(154.661,86.233)
  Bottom Layer w0.254: v1(138.43,84.963) 153.391,84.963 v1(154.661,86.233)
T3_BAT: Temp.3 U38.4 | length 87.6
  Top Layer w0.254: Temp.3@133.634,42.672 133.634,45.775 134.01,46.152 134.01,81.432 v1(134.617,82.039) ; U38.4@154.559,107.935 153.416,107.935 153.162,107.681 153.162,104.191 155.245,102.108 v1(155.245,89.813)
  Bottom Layer w0.254: v1(134.617,82.039) 153.134,82.039 155.753,84.658 155.753,87.706 155.245,88.214 v1(155.245,89.813)
V_3V3: U37.5
V_5V: U37.2
V_BAT: R64.1 U38.14 | length 99
  Top Layer w0.254: v1(99.035,54.635) 100.076,55.677 R64.1@100.076,56.458 ; v1(145.847,64.592) 145.847,89.51 149.962,93.624 149.962,107.285 U38.14@148.559,107.285
  Bottom Layer w0.254: v1(99.035,54.635) 135.89,54.635 v1(145.847,64.592)
V_BUS: R2.1 R6.1 U9.5 | length 156.7
  Top Layer w0.254: U9.5@75.516,118.751 v1(75.516,122.479) ; v1(164.948,119.558) v1@165.055,119.45 ; R6.1@166.497,62.681 164.592,62.681 164.033,63.24 164.033,117.958 164.948,118.872 v1@165.055,119.45 ; R2.1@166.497,119.45 v1@165.055,119.45
  Bottom Layer w0.254: v1(75.516,122.479) 75.592,122.555 164.313,122.555 164.948,121.92 v1(164.948,119.558)
V_BUS_1: R2.2 R6.2 U9.4 | length 156
  Top Layer w0.254: U9.4@77.416,118.751 77.416,119.888 79.016,121.488 v1(84.557,121.488) ; v1(163.487,121.539) 166.186,121.539 R2.2@166.497,121.85 169.596,121.85 170.764,120.682 170.764,97.649 171.261,97.152 171.261,65.959 170.383,65.081 R6.2@166.497,65.081
  Bottom Layer w0.254: v1(84.557,121.488) 84.76,121.285 162.344,121.285 162.471,121.412 163.36,121.412 v1(163.487,121.539)
V_BUS_2: R23.1 U1.1 U1.3 | length 29.4
  Top Layer w0.254: U1.3@34.29,110.806 34.29,112.547 34.036,112.801 32.004,112.801 31.75,112.547 U1.1@31.75,110.806 31.75,110.109 30.785,109.144 30.785,99.873 33.122,97.536 39.558,97.536 40.898,98.876 R23.1@41.099,98.876
V_BUS_3: R24.1 U1.5 U1.6 U1.7 U1.8 U2.1 U2.3 | length 189
  Top Layer w0.254: U1.8@35.56,119.126 U1.8@39.37,119.126 ; U1.5@36.83,110.806 U1.6@38.1,110.806 U1.7@39.37,110.806 39.37,118.306 U1.8@39.37,119.126 ; v1(46.941,95.25) R24.1@46.941,98.876 49.651,98.876 50.952,100.178 54,100.178 54,103.407 43.561,113.847 43.561,119.38 43.18,119.761 42.139,119.126 U1.8@39.37,119.126 ; v1(165.964,101.067) 165.227,100.33 165.227,95.91 165.608,95.529 167.035,95.529 168.077,94.488 U2.1@169.164,94.488 169.991,94.488 170.245,94.742 170.245,95.993 169.85,96.388 U2.3@169.164,96.388
  Bottom Layer w0.254: v1(46.941,95.25) 160.147,95.25 v1(165.964,101.067)
  other v2: 31.75,115.306 33.25,115.306 34.75,115.306 36.25,115.306 37.75,115.306 39.25,115.306 31.75,116.806 33.25,116.806 34.75,116.806 36.25,116.806 37.75,116.806 39.25,116.806 31.75,118.306 33.25,118.306 34.75,118.306 36.25,118.306 37.75,118.306 39.25,118.306 31.75,119.806 33.25,119.806 34.75,119.806 36.25,119.806 37.75,119.806 39.25,119.806 31.75,121.306 33.25,121.306 34.75,121.306 36.25,121.306 37.75,121.306 39.25,121.306 31.75,122.806 33.25,122.806 34.75,122.806 36.25,122.806 37.75,122.806 39.25,122.806
V_BUS_4: R25.1 U2.5 | length 120.6
  Top Layer w0.254: v1(52.783,94.082) R25.1@52.783,98.876 ; U2.5@166.364,94.488 166.345,94.488 166.345,93.32 v1(166.548,93.116)
  Bottom Layer w0.254: v1(52.783,94.082) 53.01,94.309 72.88,94.309 73.107,94.082 165.583,94.082 v1(166.548,93.116)
V_BUS_5: R26.1
V_BUS_6: 
V_COM: U37.15
V_SA: R72.1 U38.12 | length 157.3
  Top Layer w0.254: R72.1@35.257,98.876 37.662,98.876 39.37,100.584 39.37,104.851 42.545,108.026 v1(42.545,118.186) ; v1(140.005,124.333) 150.448,113.89 150.448,108.919 150.114,108.585 U38.12@148.559,108.585
  Bottom Layer w0.254: v1(42.545,118.186) 48.692,124.333 125.143,124.333 125.524,123.952 126.583,123.952 127.822,125.192 127.822,132.11 129.062,133.35 130.988,133.35 v1(140.005,124.333)
pads on no net: +X.GND +Y.GND +Z.GND -X.GND -Y.GND BAT.4 BAT.GND C1.1@167.132,99.265 C1.2@167.132,102.665 C3.1@167.132,68.277 C4.1@167.132,74.754 C5.2@167.132,84.758 Heater.GND J_BAT.GND R8.1@166.497,42.488 RBF1.GND RBF2.GND SSW1.GND SSW2.GND Temp.GND U11.8 U12.8 U20.8 U21.8 U22.8 U30.8 U31.8 U32.8 U35.8 U36.8 U37.12 U37.13 U38.5
copper on no net: | length 499
  Top Layer w0.254: 27.038,26.238 176.784,26.238 176.784,125.984 27.038,125.984 27.038,26.238